# Altium PCB IG-1.PCBDOC (part 1 of 2)
Units mm, origin at the board's own origin, x right, y up, seen from the top; angles counter-clockwise.
Board outline 46.6 x 24.5 mm, 4 copper layers (Top, GND Plane, Mid1-Ver, Bottom), stack 1.565 mm thick; 28 components, 31 nets, 364 pads, 250 vias.
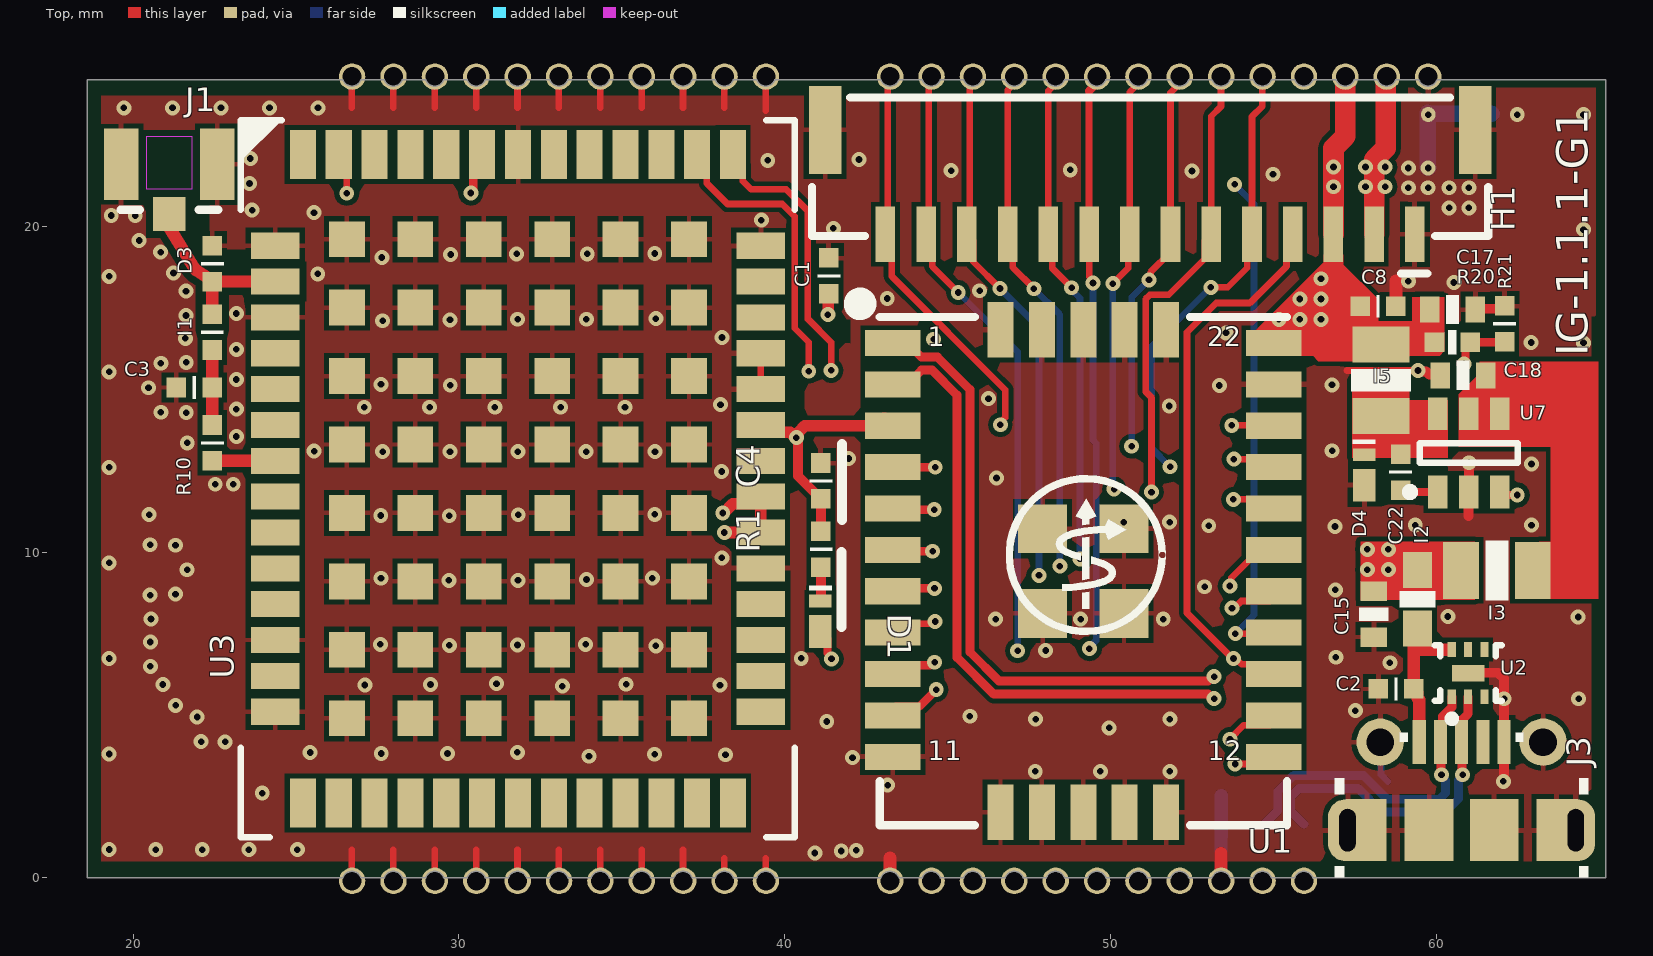
[diagram p0: Top view]
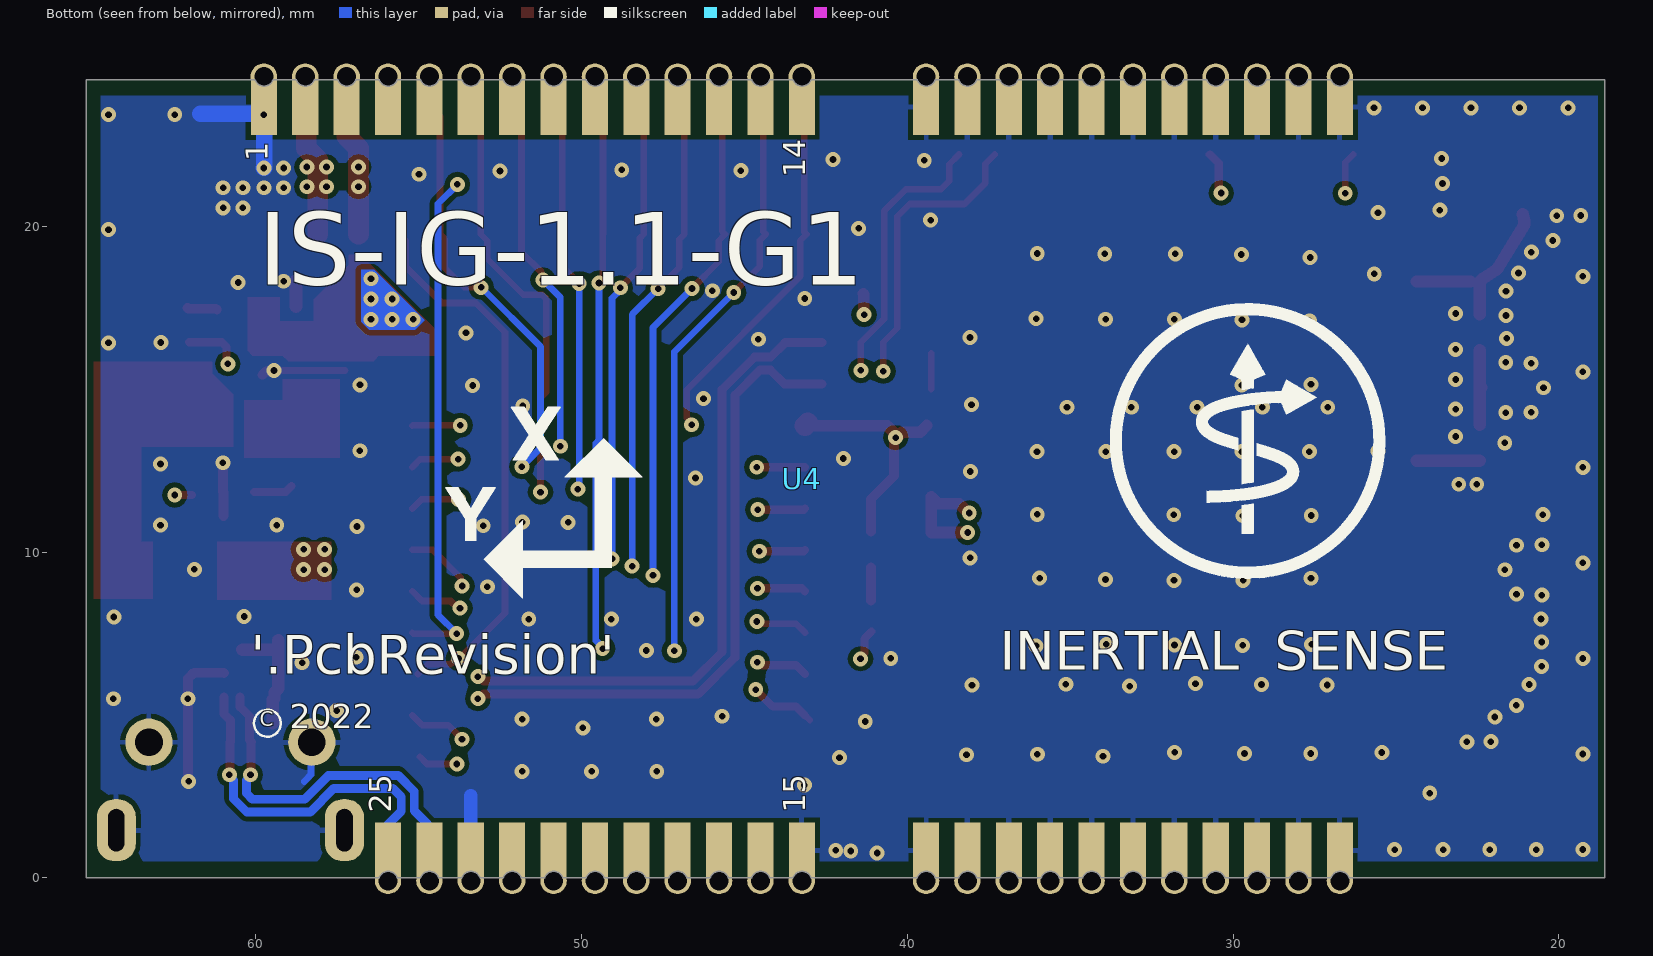
[diagram p1: Bottom view, seen from below]
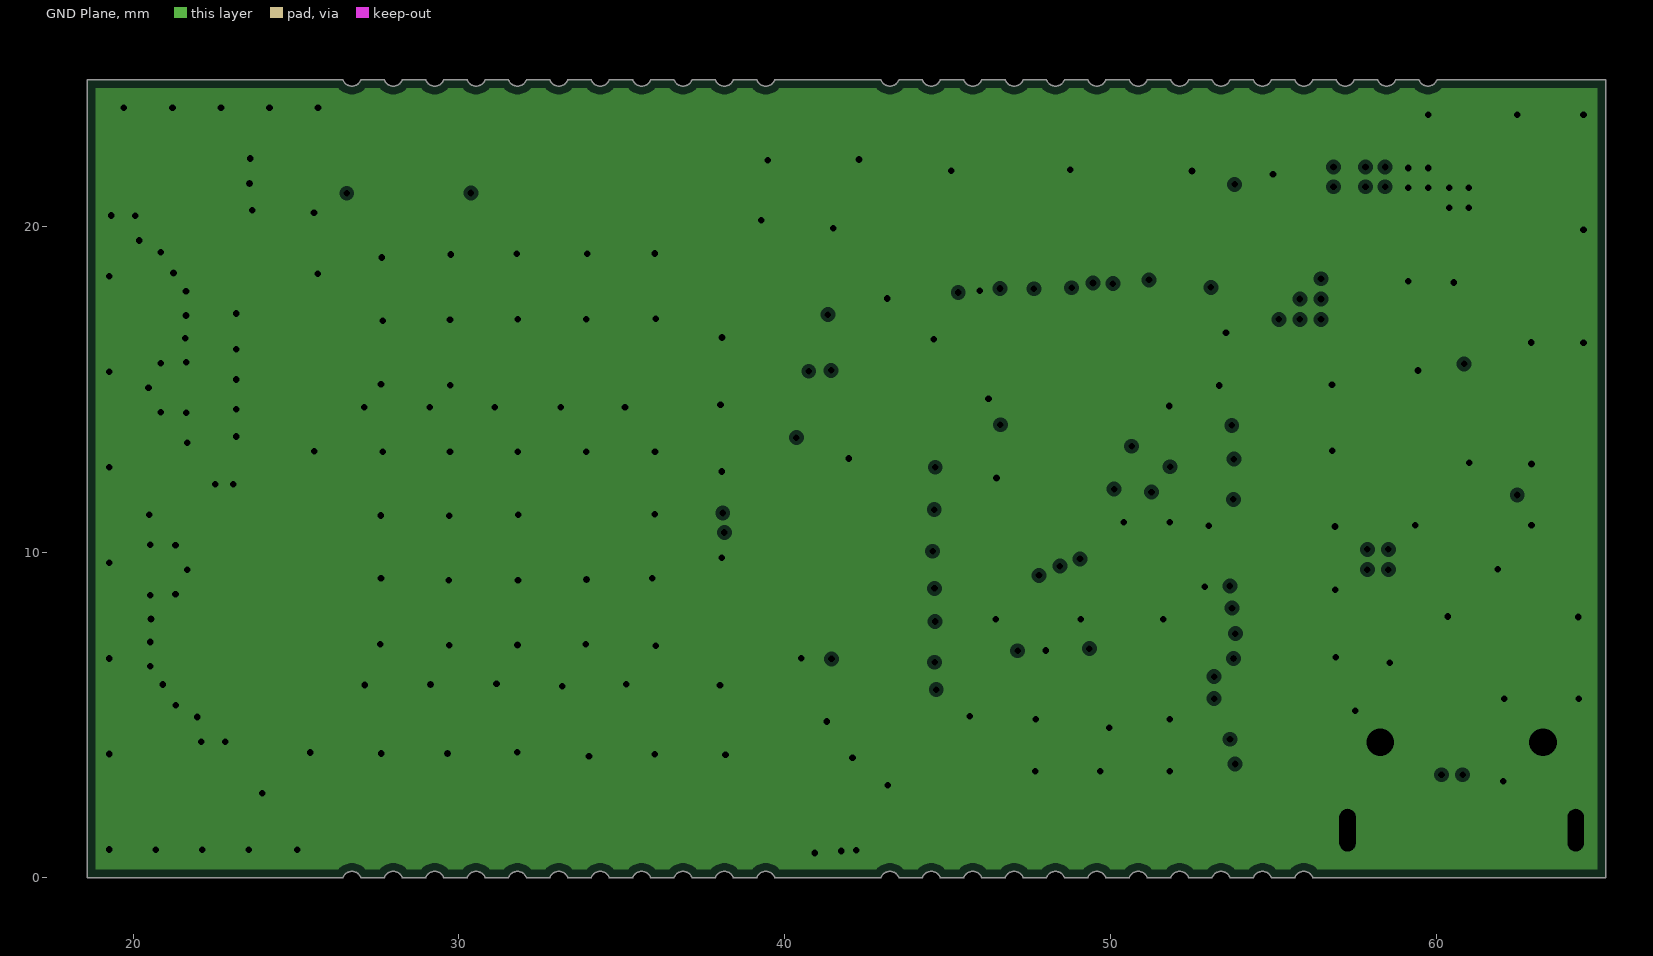
[diagram p2: GND Plane, clearances drawn from the general rule]
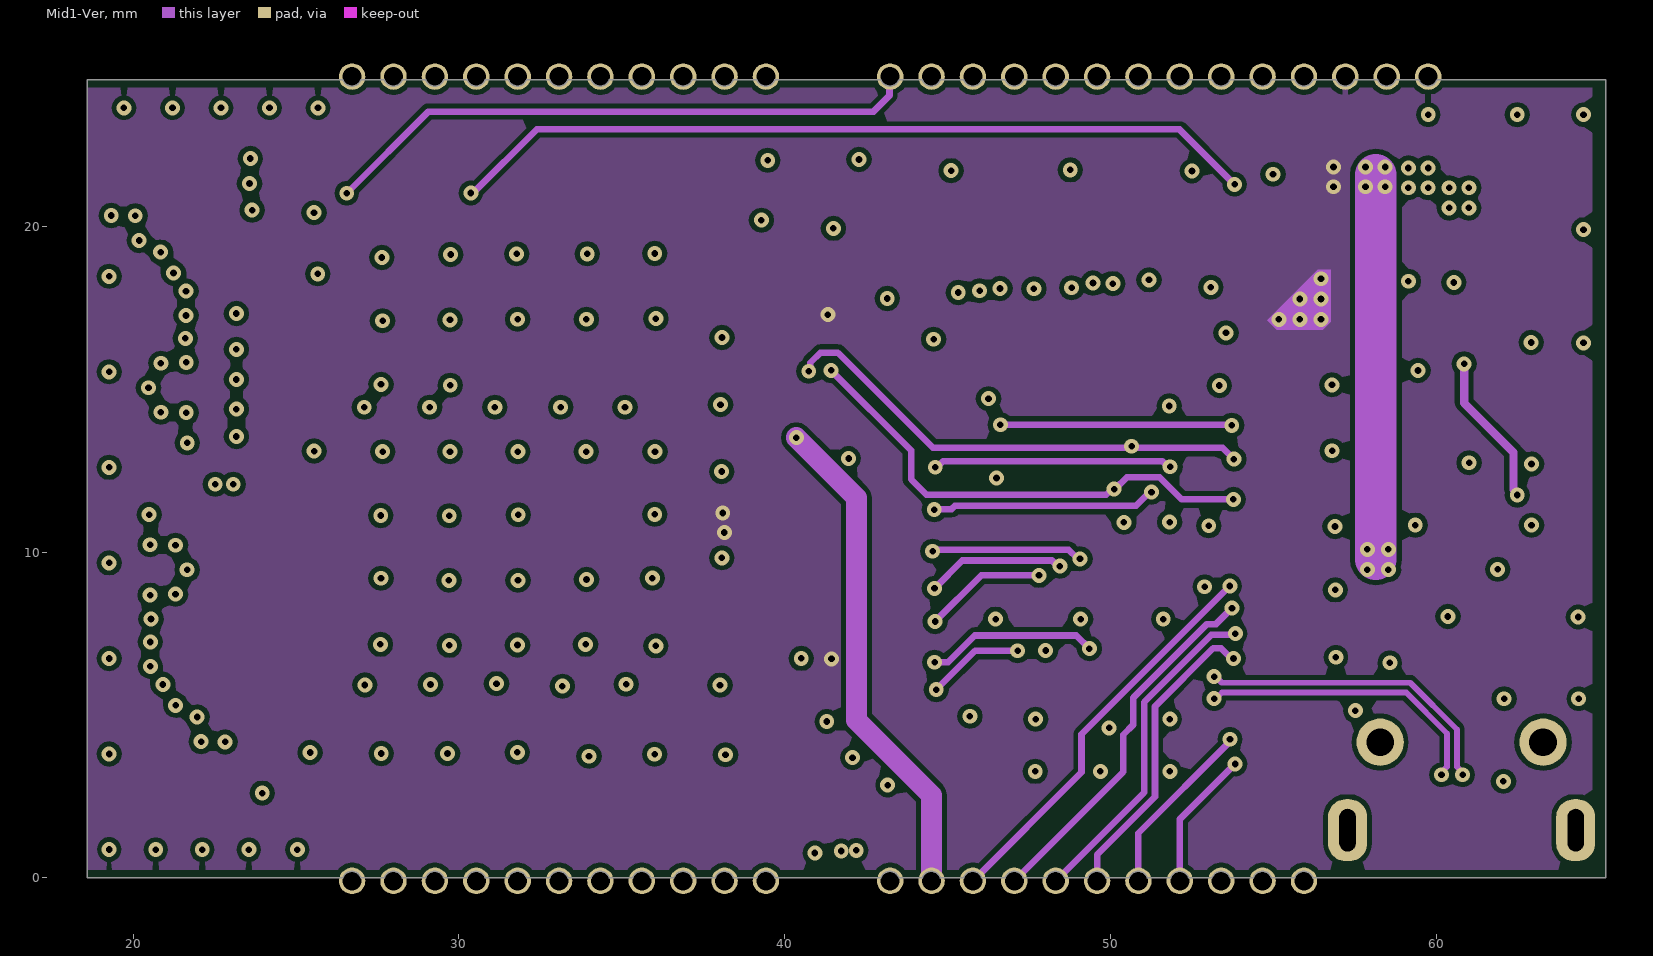
[diagram p3: Mid1-Ver]
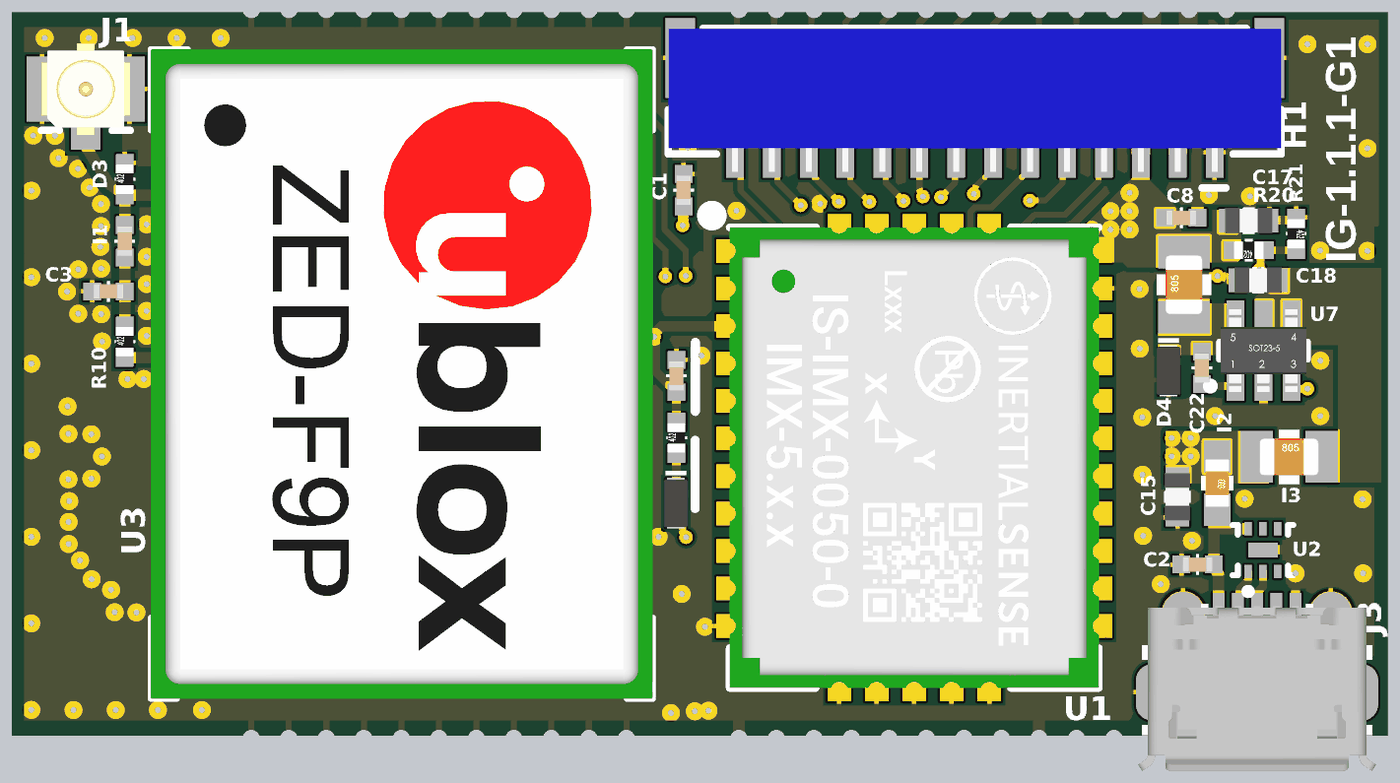
[diagram p5: 3D render of the assembled board from above, using the file's embedded part models]

## Layer stack, top to bottom
Solder Mask Top: solder mask 0.0102, Solder Resist, Dk 3.5
Top: signal copper 0.0533
Dielectric1: prepreg 0.2032, PP-006, Dk 4.1
GND Plane: plane copper 0.0178, net GND
Dielectric3: core 1.016, Core-009, Dk 4.5
Mid1-Ver: signal copper 0.0178
Dielectric2: prepreg 0.2032, PP-006, Dk 4.1
Bottom: signal copper 0.0533
Solder Mask Bottom: solder mask 0.0102, Solder Resist, Dk 3.5

## Board outline
26.995,0 27.709,0 cw(c27.987,-0.09) 28.265,0 28.979,0 cw(c29.257,-0.09) 29.535,0 30.249,0 cw(c30.527,-0.09) 30.805,0 31.519,0 cw(c31.797,-0.09) 32.075,0 32.789,0 cw(c33.067,-0.09) 33.345,0 34.059,0 cw(c34.337,-0.09) 34.615,0 35.329,0 cw(c35.607,-0.09) 35.885,0 36.599,0 cw(c36.877,-0.09) 37.155,0 37.869,0 cw(c38.147,-0.09) 38.425,0 39.139,0 cw(c39.417,-0.09) 39.695,0 42.949,0 cw(c43.227,-0.09) 43.505,0 44.219,0 cw(c44.497,-0.09) 44.775,0 45.489,0 cw(c45.767,-0.09) 46.045,0 46.759,0 cw(c47.037,-0.09) 47.315,0 48.029,0 cw(c48.307,-0.09) 48.585,0 49.299,0 cw(c49.577,-0.09) 49.855,0 50.569,0 cw(c50.847,-0.09) 51.125,0 51.839,0 cw(c52.117,-0.09) 52.395,0 53.109,0 cw(c53.387,-0.09) 53.665,0 54.379,0 cw(c54.657,-0.09) 54.935,0 55.649,0 cw(c55.927,-0.09) 56.205,0 65.2,0 65.2,24.5 65.194,24.5 60.015,24.5 cw(c59.737,24.59) 59.459,24.5 58.745,24.5 cw(c58.467,24.59) 58.189,24.5 57.475,24.5 cw(c57.197,24.59) 56.919,24.5 56.205,24.5 cw(c55.927,24.59) 55.649,24.5 54.935,24.5 cw(c54.657,24.59) 54.379,24.5 53.665,24.5 cw(c53.387,24.59) 53.109,24.5 52.395,24.5 cw(c52.117,24.59) 51.839,24.5 51.125,24.5 cw(c50.847,24.59) 50.569,24.5 49.855,24.5 cw(c49.577,24.59) 49.299,24.5 48.585,24.5 cw(c48.307,24.59) 48.029,24.5 47.315,24.5 cw(c47.037,24.59) 46.759,24.5 46.045,24.5 cw(c45.767,24.59) 45.489,24.5 44.775,24.5 cw(c44.497,24.59) 44.219,24.5 43.505,24.5 cw(c43.227,24.59) 42.949,24.5 39.695,24.5 cw(c39.417,24.59) 39.139,24.5 38.425,24.5 cw(c38.147,24.59) 37.869,24.5 37.155,24.5 cw(c36.877,24.59) 36.599,24.5 35.885,24.5 cw(c35.607,24.59) 35.329,24.5 34.615,24.5 cw(c34.337,24.59) 34.059,24.5 33.345,24.5 cw(c33.067,24.59) 32.789,24.5 32.075,24.5 cw(c31.797,24.59) 31.519,24.5 30.805,24.5 cw(c30.527,24.59) 30.249,24.5 29.535,24.5 cw(c29.257,24.59) 28.979,24.5 28.265,24.5 cw(c27.987,24.59) 27.709,24.5 26.995,24.5 cw(c26.717,24.59) 26.439,24.5 18.6,24.5 18.6,0 26.439,0 cw(c26.717,-0.09)

## Design rules (kind name [scope] priority, off if disabled: settings)
AssemblyTestPointUsage [All] p1 off:
AssemblyTestpoint [All] p1 off: testpointundercomponent=TRUE minsize=1.016 maxsize=2.54 preferedsize=1.524 minholesize=0 maxholesize=1.016 preferedholesize=0.813 testpointgrid=0.025 usegrid=TRUE gridtolerance=0 allowsidetop=TRUE allowsidebottom=TRUE
BoardOutlineClearance BoardOutlineClearance_1 [OnLayer('Silkscreen Top')] p1: gap=0 ignorepadtopadclearanceinfootprint=FALSE
BoardOutlineClearance [All] p2 off: gap=0.25 ignorepadtopadclearanceinfootprint=FALSE
Clearance "Stitching GND" [IsStitchingVia and InNet('GND') vs (IsVia and (Not IsStitchingVia)) Or IsPad] p1: gap=0.05 ignorepadtopadclearanceinfootprint=FALSE
Clearance "Clearance - GPS Ant" [All vs InNet('GPS1_ANT')] p2: gap=0.203 ignorepadtopadclearanceinfootprint=FALSE except(0: Arc-Hole Track-Hole SMDPad-Hole THPad-Hole Via-Hole Fill-Hole Poly-Hole Region-Hole Text-Hole)
Clearance [All] p3: gap=0.127 ignorepadtopadclearanceinfootprint=FALSE except(0: Arc-Hole Track-Hole SMDPad-Hole THPad-Hole Via-Hole Fill-Hole Poly-Hole Region-Hole Text-Hole; 0.15: Arc-Fill Arc-Poly Arc-Region Track-Fill Track-Poly Track-Region SMDPad-Fill SMDPad-Poly SMDPad-Region THPad-Fill THPad-Poly THPad-Region Via-Fill Via-Poly Via-Region Fill-Fill Fill-Poly Fill-Region Poly-Poly Poly-Region Region-Region)
ComponentClearance Ignore [InComponent('H7')] p1: gap=-12.7 collisioncheckmode=3 verticalgap=-12.7 showdistances=FALSE
ComponentClearance HeaderClearance [InComponent('H1')] p2: gap=0.254 collisioncheckmode=3 verticalgap=-0.254 showdistances=FALSE
ComponentClearance Default [All] p3: gap=0.254 collisioncheckmode=3 verticalgap=0.254 showdistances=FALSE
DiffPairsRouting USB [InDifferentialPairClass('USB')] p1: maxlimit=0.127 minlimit=0.127 mostfreqgap=0.127 toplayer_minwidth=0.272 toplayer_maxwidth=0.274 toplayer_prefwidth=0.273 midlayer1_minwidth=0.175 midlayer1_maxwidth=0.178 midlayer1_prefwidth=0.177 bottomlayer_minwidth=0.272 bottomlayer_maxwidth=0.274 bottomlayer_prefwidth=0.273 impedanceprofiledriven=TRUE impedanceprofileid={BBA8E3E2-537E-421E-AE39-E3884618F825} impedanceprofilevalue=90.000000 maxuncoupledlength=12.7
DiffPairsRouting [All] p2: maxlimit=0.203 minlimit=0.203 mostfreqgap=0.203 toplayer_minwidth=0.203 toplayer_maxwidth=0.381 toplayer_prefwidth=0.381 midlayer1_minwidth=0.203 midlayer1_maxwidth=0.381 midlayer1_prefwidth=0.381 bottomlayer_minwidth=0.203 bottomlayer_maxwidth=0.381 bottomlayer_prefwidth=0.381 maxuncoupledlength=12.7
FabricationTestPointUsage [All] p1 off: valid=0 allowmultiple=FALSE
FabricationTestpoint [All] p1 off: side=3 testpointundercomponent=TRUE minsize=1.016 maxsize=2.54 preferedsize=1.524 minholesize=0 maxholesize=1.016 preferedholesize=0.813 testpointgrid=0.025 allowsidetop=TRUE allowsidebottom=TRUE usegrid=TRUE gridtolerance=0
HoleSize [All] p1: absolutevalues=TRUE maxlimit=5.08 minlimit=0.203 maxpercent=80.000 minpercent=20.000
HoleToHoleClearance [All] p1: gap=0.229 allowstackedmicrovias=TRUE
MinimumAnnularRing [All] p1: minimumring=0.114
MinimumSolderMaskSliver [All] p1: minsoldermaskwidth=0.076
PlaneClearance [All] p1: clearance=0.127
PlaneConnect "Power Plane Connect Style" [All] p1: planeconnectstyle=Direct reliefexpansion=0.508 reliefentries=4 reliefconductorwidth=0.178 reliefairgap=0.254
PolygonConnect "Default Polygon Connect" [All] p1: thpad.connectstyle=Relief thpad.reliefconductorwidth=0.15 thpad.reliefentries=4 thpad.polygonreliefangle="90 Angle" thpad.airgapwidth=0.15 smdpad.connectstyle=Relief smdpad.reliefconductorwidth=0.15 smdpad.reliefentries=4 smdpad.polygonreliefangle="90 Angle" smdpad.airgapwidth=0.15 via.connectstyle=Direct via.reliefconductorwidth=0.254 via.reliefentries=4 via.polygonreliefangle="90 Angle" via.airgapwidth=0.254
RoutingCorners "Routing Corners Default" [All] p1: cornerstyle=45-Degree minsetback=2.54 maxsetback=2.54
RoutingLayers "Routing Layers Default" [All] p1: top layer_v5=TRUE mid layer 1_v5=TRUE bottom layer_v5=TRUE
RoutingPriority "Routing Priority Default" [All] p1: routingpriority=0
RoutingVias "Via Style Default" [All] p1: holewidth=0.203 width=0.457 viastyle="Through Hole" minholewidth=0.203 minwidth=0.457 maxholewidth=0.203 maxwidth=0.457
SilkToBoardRegionClearance [All] p1 off:
SilkToSilkClearance [Not ( ((ObjectKind = 'Text') And ((UseInvertedRectangle = 'True') OR (IsTextInverted = 'True'))) OR (ObjectKind = 'Fill') ) vs Not ( ((ObjectKind = 'Text') And ((UseInvertedRectangle = 'True') OR (IsTextInverted = 'True'))) OR (ObjectKind = 'Fill') )] p1: silktosilkclearance=0.025
SilkToSolderMaskClearance SilkscreenOverComponentPads [NOT(IsPad AND OnLayer('Multi-Layer'))] p1: minsilkscreentomaskgap=0 clearancetoexposedcopper=TRUE
SolderMaskExpansion SolderMaskExpansion_Via [IsVia] p1: expansion=-0.5 istentingtop=FALSE
SolderMaskExpansion "Solder Mask Expansion" [All] p2: expansion=0.076 istentingtop=FALSE
Width "RF GPS" [InNetClass('RF_GPS')] p1: maxlimit=0.378 minlimit=0.254 preferedwidth=0.254 toplayer_minwidth=0.378 toplayer_prefwidth=0.378 impedanceprofiledriven=TRUE impedanceprofileid={02C63D6F-E359-4761-A6D5-DB4FA928AF7D} impedanceprofilevalue=50.000000 minimp=50.000000 maximp=50.000000 favimp=50.000000
Width "Width Default" [All] p2: maxlimit=3.81 minlimit=0.076 preferedwidth=0.127 minimp=50.000000 maximp=50.000000 favimp=50.000000
13 further rules are at their usual default settings.

## Classes and differential pairs
differential pair class USB: USB.D
net class RF_GPS: GPS1_ANT
differential pair USB.D: +USB.D_P -USB.D_N

## Components (designator, comment, footprint, x,y, rotation, side; value= is the part's Value field where it differs from the comment)
C1 "Cap" 0402 41.354,18.475 r90 top value=100nF
C2 "Cap" 0402 58.757,5.799 r180 top value=100nF
C3 "Cap" 0402 21.88,15.05 r180 top value=100nF
C4 "Cap" 0402 41.109,12.183 r90 top value=2.2uF
C8 "Cap" 0402 58.205,17.541 r0 top value=100nF
C15 "Cap" 0603 58.073,8.092 r270 top value=2.2uF
C17 "Cap" 0603 60.488,17.442 r0 top value=22uF
C18 "Cap" 0603 60.809,15.425 r180 top value=2.2uF
C22 "Cap" 0402 58.898,12.452 r90 top value=0.1uF
D1 "Diode - Schottky" D0603B 41.093,7.874 r270 top
D3 "Diode - Bidirectional Zener" R0402 22.43,18.85 r90 top
D4 "Diode - Schottky" D0603B 57.776,12.359 r270 top
H1 "Hdr - 14pin - mount" SM14B-GHS-TB(LF)(SN) 51.212,24.301 r180 top
I1 "Inductor" 0402 22.43,16.75 r270 top value=120nH
I2 "Inductor" I0603 59.418,8.552 r270 top value="220 Ohm @ 100MHz"
I3 "Inductor" 0806 61.854,9.441 r0 top value=2.2uH
I5 "Inductor" 0806 58.296,15.273 r90 top value=2.2uH
J1 "RF - GND x 2" "RF UMC SMD" 21.113,21.901 r270 top locked
J3 "USB-TYPEAB-4GND" "USB Micro AB R/A THR" 60.77,1.467 r0 top locked
R1 "Res" R0402 41.109,10.083 r90 top value=1K
R10 "Res" R0402 22.43,13.35 r90 top value=10
R20 "Res" R0402 60.488,16.442 r180 top value=30.9K
R21 "Res" R0402 62.094,17.003 r270 top value=10K
U1 "IMX" IS-IMX-5.0 42.911,17.217 r0 top locked
U2 "VBUS053" QFN50P160X160X60-6N 60.969,6.285 r90 top
U3 "ZED-F9P-01B" U-Blox_ZED-F9P 31.813,12.251 r270 top locked
U4 "LGA PADS" IG-1.1-G1_LGA 0,0 r0 top locked
U7 "ADP2301" MO-178-AB 60.988,13.042 r90 top

## Footprints (in the part's own frame and the unit in brackets; to place one, negate y for a bottom-side part, rotate by r counter-clockwise, add the part's x,y. Pads: shape width x height; smd on the part's side, far side on the other; paste and mask are expansions set on the pad)
0402 [mm] "Chip Capacitor, Body 1.0x0.5mm, IPC High Density"
  rect 0.6x0.6 smd: 1(-0.55,0) 2(0.55,0)
  silkscreen extent -0.05,-0.35 0.05,0.35, body extent -0.5,-0.25 0.5,0.25, height 0.51
0603 [mm] "Chip Inductor, Body 0.6x0.3mm, IPC High Density"
  rect 0.6x0.8 smd: 1(-0.7,0) 2(0.7,0)
  silkscreen extent -0.2,-0.45 0.2,0.45, body extent -0.8,-0.43 0.8,0.43, height 0.87
0806 [mm]
  rect 1.1x1.75 smd: 1(-1.1,0) 2(1.1,0)
  silkscreen extent -0.35,-0.92 0.35,0.92, body extent -1,-0.62 1,0.63, height 0.78
D0603B [mm] "Molded Diode, 2-Leads, Body 1.60x0.80mm, IPC Medium Density"
  rect 1.005x0.69 smd: A(0.312,0)
  rect 0.385x0.69 smd: C(-0.625,0)
  silkscreen extent -1.1,-0.35 -0.95,0.35, body extent -0.86,-0.42 0.86,0.42, height 0.45
I0603 [mm]
  rect 1.1x0.9 smd: 1(-0.9,0) 2(0.9,0)
  silkscreen extent -0.25,-0.55 0.25,0.55, body extent -0.8,-0.4 0.8,0.4, height 0.3
IG-1.1-G1_LGA [mm] "IMX multi-frequency RTK-GNSS Module"
  rect 0.8x1.7 smd far side paste-2.54: 0(26.723,23.65) 0(26.723,0.85) 0(27.993,23.65) 0(27.993,0.85) 0(29.263,23.65) 0(29.263,0.85) 0(30.533,23.65) 0(30.533,0.85) 0(31.803,23.65) 0(31.803,0.85) 0(33.073,23.65) 0(33.073,0.85) 0(34.343,23.65) 0(34.343,0.85) 0(35.613,23.65) 0(35.613,0.85) 0(36.883,23.65) 0(36.883,0.85) 0(38.153,23.65) 0(38.153,0.85) 0(39.423,23.65) 0(39.423,0.85) 1(59.743,23.65) 2(58.473,23.65) 3(57.203,23.65) 4(55.933,23.65) 5(54.663,23.65) 6(53.393,23.65) 7(52.123,23.65) 8(50.853,23.65) 9(49.583,23.65) 10(48.313,23.65) 11(47.043,23.65) 12(45.773,23.65) 13(44.503,23.65) 14(43.233,23.65) 15(43.233,0.85) 16(44.503,0.85) 17(45.773,0.85) 18(47.043,0.85) 19(48.313,0.85) 20(49.583,0.85) 21(50.853,0.85) 22(52.123,0.85) 23(53.393,0.85) 24(54.663,0.85) 25(55.933,0.85)
  rect 0.8x0.4 smd far side paste-2 mask+0.038: 0(26.723,24.25) 0(26.723,0.25) 0(27.993,24.25) 0(27.993,0.25) 0(29.263,24.25) 0(29.263,0.25) 0(30.533,24.25) 0(30.533,0.25) 0(31.803,24.25) 0(31.803,0.25) 0(33.073,24.25) 0(33.073,0.25) 0(34.343,24.25) 0(34.343,0.25) 0(35.613,24.25) 0(35.613,0.25) 0(36.883,24.25) 0(36.883,0.25) 0(38.153,24.25) 0(38.153,0.25) 0(39.423,24.25) 0(39.423,0.25) 1(59.743,24.25) 2(58.473,24.25) 3(57.203,24.25) 4(55.933,24.25) 5(54.663,24.25) 6(53.393,24.25) 7(52.123,24.25) 8(50.853,24.25) 9(49.583,24.25) 10(48.313,24.25) 11(47.043,24.25) 12(45.773,24.25) 13(44.503,24.25) 14(43.233,24.25) 15(43.233,0.25) 16(44.503,0.25) 17(45.773,0.25) 18(47.043,0.25) 19(48.313,0.25) 20(49.583,0.25) 21(50.853,0.25) 22(52.123,0.25) 23(53.393,0.25) 24(54.663,0.25) 25(55.933,0.25)
  round 0.813 hole 0.584 mask-0.051: 0(26.723,24.59) 0(26.723,-0.09) 0(27.993,24.59) 0(27.993,-0.09) 0(29.263,24.59) 0(29.263,-0.09) 0(30.533,24.59) 0(30.533,-0.09) 0(31.803,24.59) 0(31.803,-0.09) 0(33.073,24.59) 0(33.073,-0.09) 0(34.343,24.59) 0(34.343,-0.09) 0(35.613,24.59) 0(35.613,-0.09) 0(36.883,24.59) 0(36.883,-0.09) 0(38.153,24.59) 0(38.153,-0.09) 0(39.423,24.59) 0(39.423,-0.09) 1(59.743,24.59) 2(58.473,24.59) 3(57.203,24.59) 4(55.933,24.59) 5(54.663,24.59) 6(53.393,24.59) 7(52.123,24.59) 8(50.853,24.59) 9(49.583,24.59) 10(48.313,24.59) 11(47.043,24.59) 12(45.773,24.59) 13(44.503,24.59) 14(43.233,24.59) 15(43.233,-0.09) 16(44.503,-0.09) 17(45.773,-0.09) 18(47.043,-0.09) 19(48.313,-0.09) 20(49.583,-0.09) 21(50.853,-0.09) 22(52.123,-0.09) 23(53.393,-0.09) 24(54.663,-0.09) 25(55.933,-0.09)